# Altium PCB PCB_E32_Transmission_V1.1.PcbDoc
Units mm, origin at the board's own origin, x right, y up, seen from the top; angles counter-clockwise.
Board outline 67.99 x 52.41 mm, 2 copper layers (Top Layer, Bottom Layer); 18 components, 14 nets, 86 pads, 1 vias.
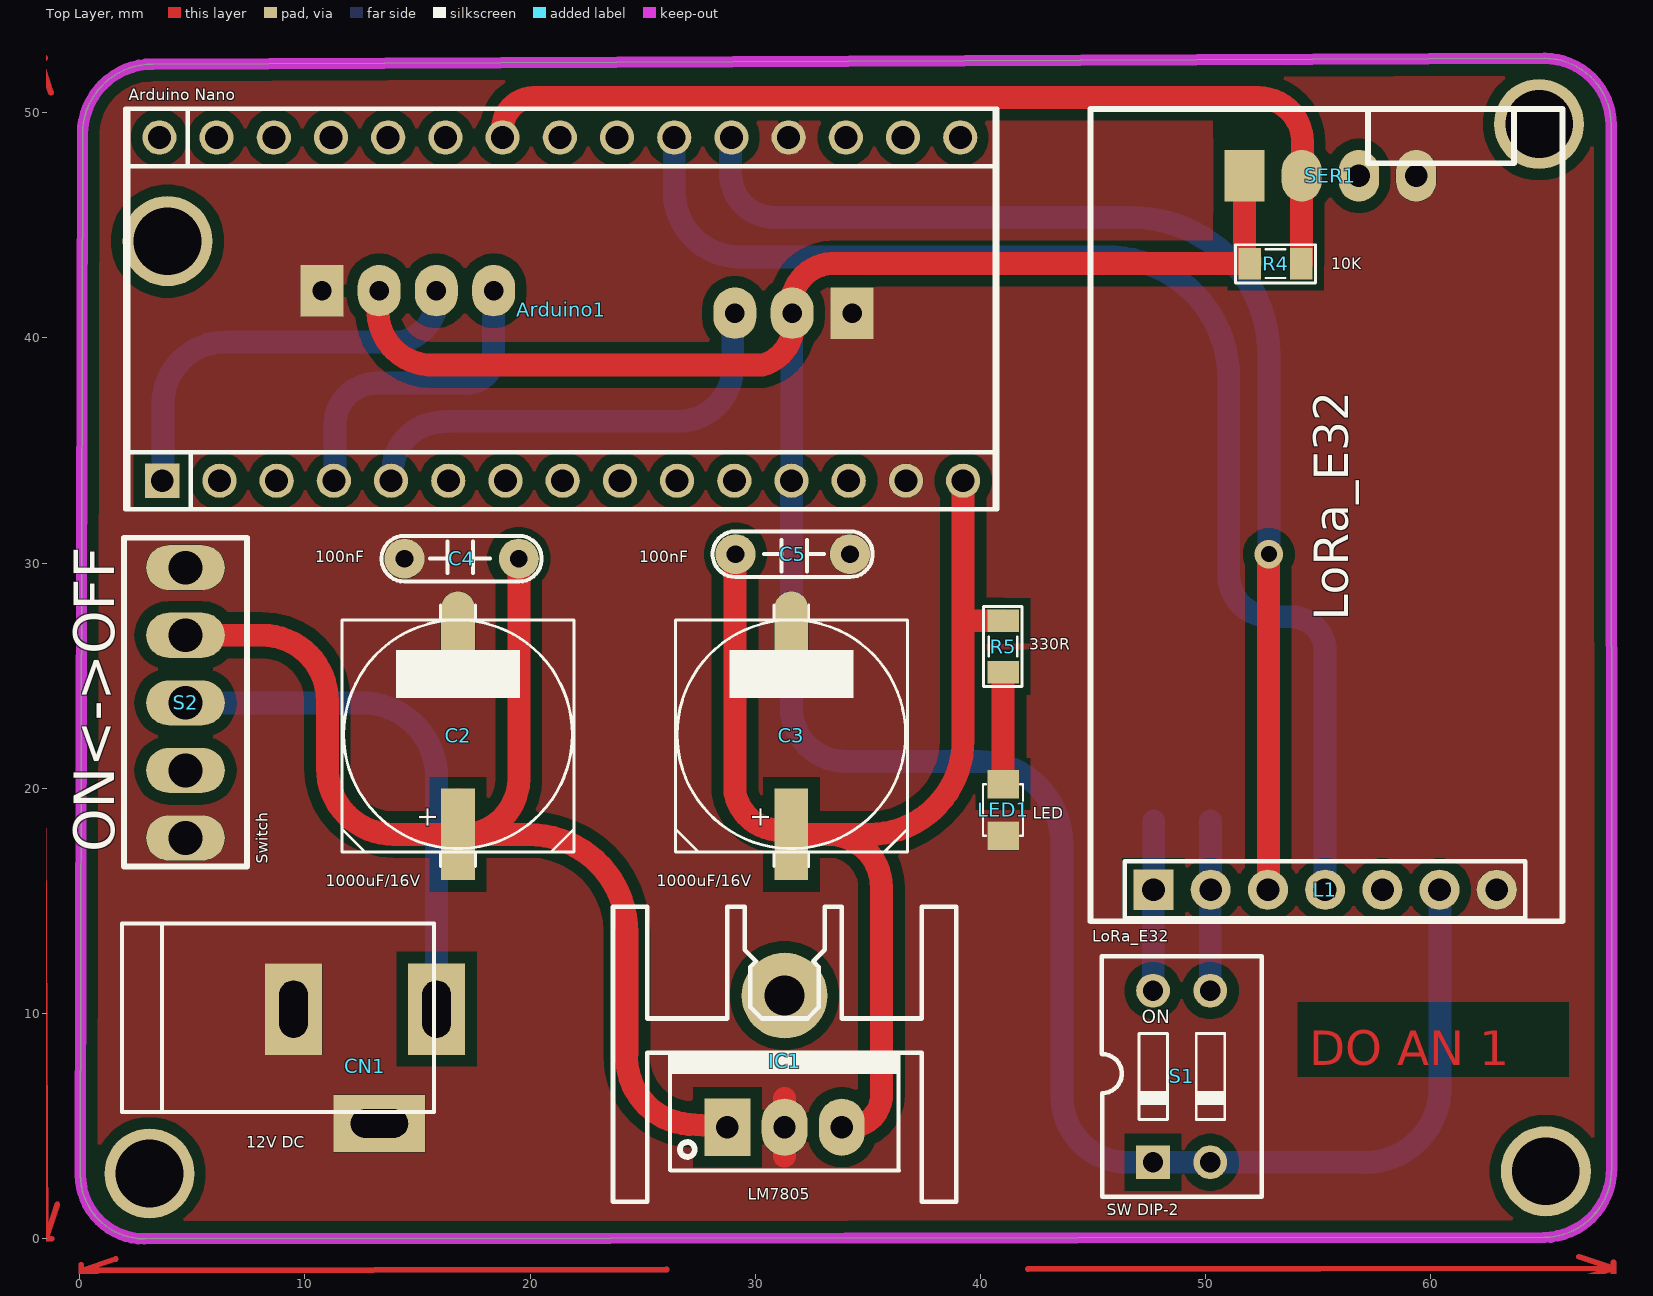
[diagram p0: Top Layer view]
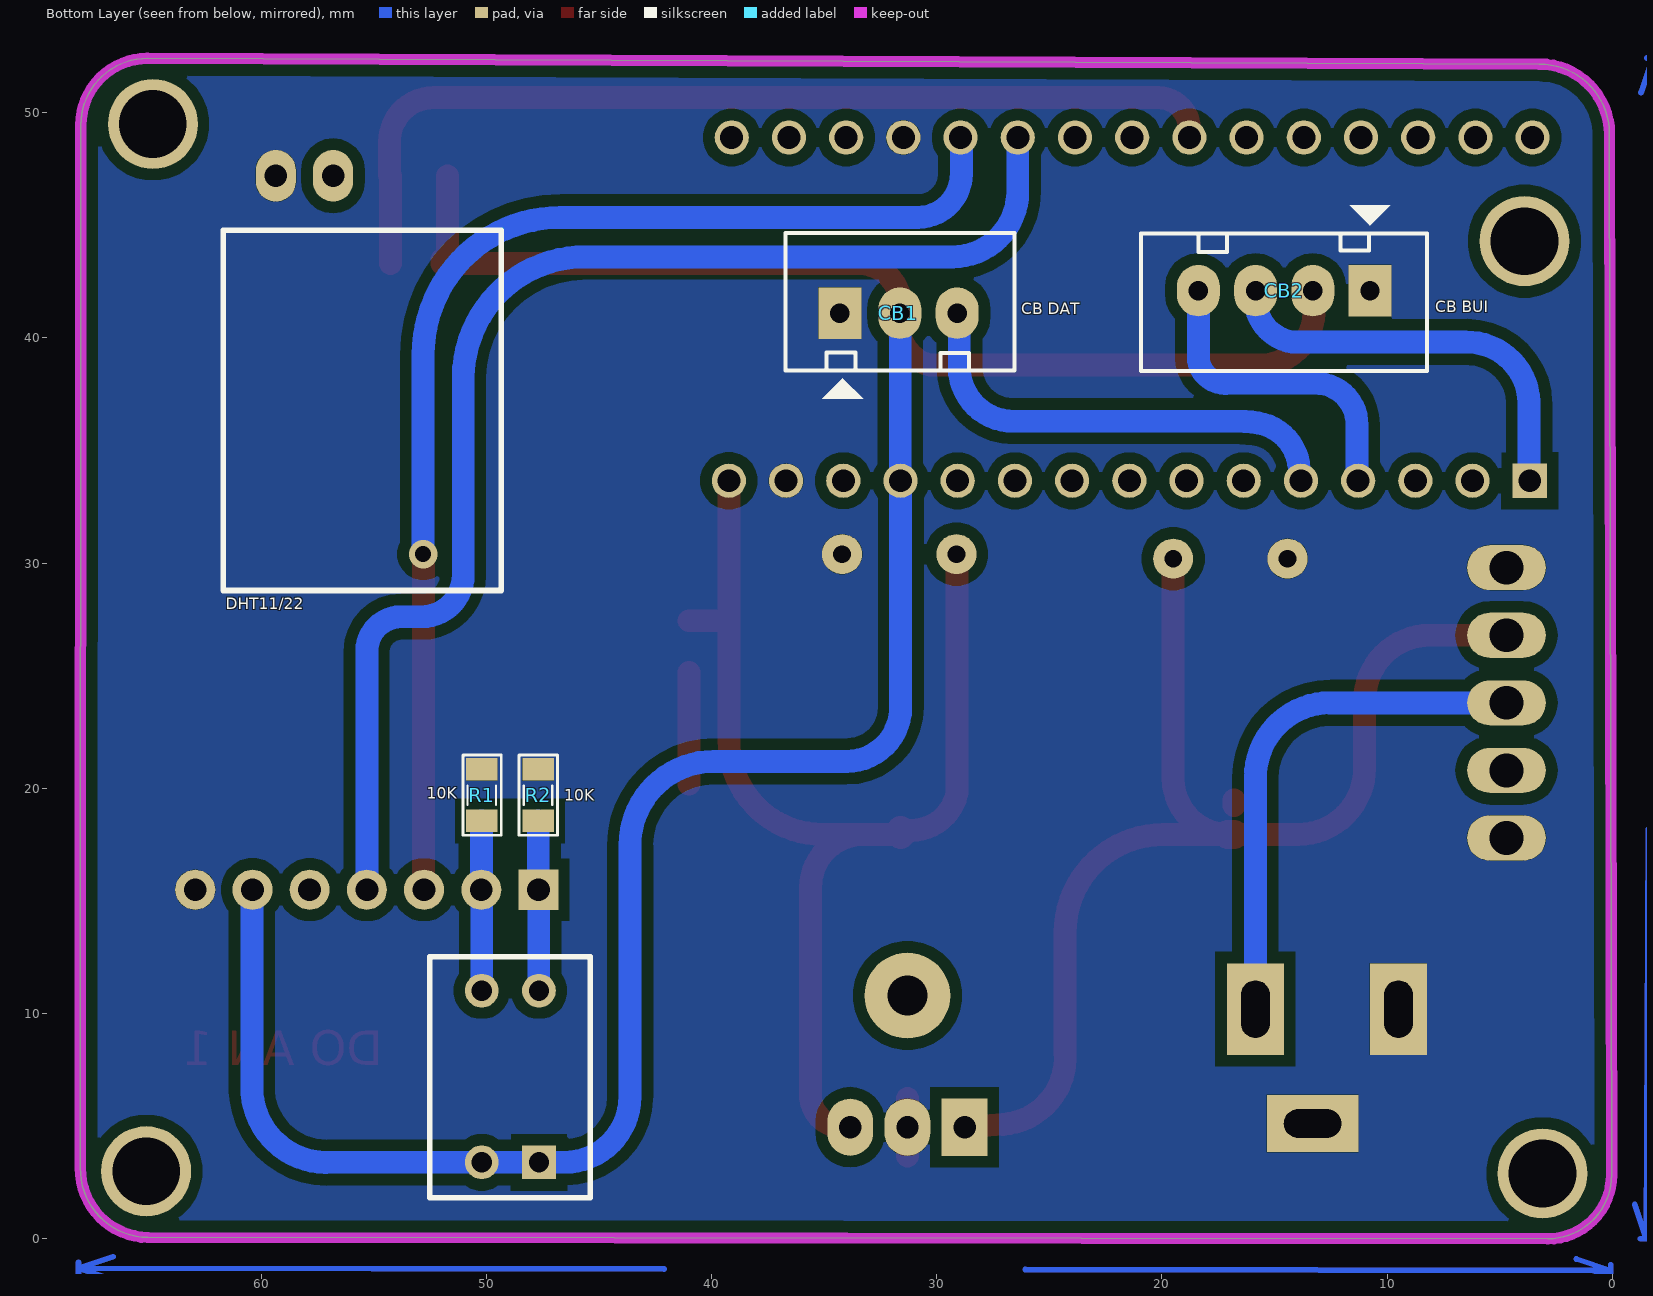
[diagram p1: Bottom Layer view, seen from below]

## Layer stack, top to bottom
Top Solder: solder mask 0.0102, Solder Resist, Dk 3.5
Top Layer: signal copper 0.0356
Dielectric 1: dielectric 0.32, FR-4, Dk 4.8
Bottom Layer: signal copper 0.0356
Bottom Solder: solder mask 0.0102, Solder Resist, Dk 3.5

## Board outline
2.869,0 cw(c2.869,2.836) 0.033,2.836 0.127,49.05 cw(c3.237,49.05) 3.237,52.16 65.042,52.412 cw(c65.042,49.455) 68,49.455 68.019,3.147 cw(c64.98,3.1) 65.027,0.061

## Design rules (kind name [scope] priority, off if disabled: settings)
Clearance [All] p1: gap=0.508 ignorepadtopadclearanceinfootprint=FALSE
PlaneConnect [All] p1: planeconnectstyle=Relief reliefexpansion=0.762 reliefentries=4 reliefconductorwidth=2.54 reliefairgap=0.254
PolygonConnect [All] p1: connectstyle=Relief reliefconductorwidth=0 reliefentries=4 polygonreliefangle="90 Angle" airgapwidth=0
RoomDefinition Sheet_LoraE32_Transmission_V1.1 [InComponentClass('Sheet_LoraE32_Transmission_V1.1')] p1: confinementstyle=ConfineIn formatcopy=TRUE lockcomponents=FALSE outline 75.493,-45.075 96.993,-45.075 96.993,6.325 75.493,6.325
RoutingVias [All] p1: holewidth=0.711 width=1.27 viastyle="Through Hole" minholewidth=0.711 minwidth=1.27 maxholewidth=0.711 maxwidth=1.27
SolderMaskExpansion [All] p1: expansion=0.102 istentingtop=FALSE
Width [All] p1: maxlimit=1.778 minlimit=0.635 preferedwidth=1.016
29 further rules are at their usual default settings.

## Components (designator, comment, footprint, x,y, rotation, side; value= is the part's Value field where it differs from the comment)
Arduino1 "Arduino Nano" "Arduino Nano" 21.574,40.518 r270 top value="Cau 1A"
C2 "1000uF/16V" CAP-ALU-SMD-G 16.8,22.4 r90 top
C3 "1000uF/16V" CAP-ALU-SMD-G 31.6,22.4 r90 top
C4 "100nF" CN2 14.42,30.2 r0 top value=0.1uF
C5 "100nF" CN2 34.2,30.4 r180 top value=0.1uF
CB1 "CB DAT" Header3 34.173,41.1 r180 bottom
CB2 "CB BUI" Header4 10.76,42.1 r0 bottom
CN1 "12V DC" DC-IN 12.675,7.66 r0 top value="Jac DC"
IC1 "LM7805" TO220H1 31.3,4.958 r0 top
L1 "LoRa_E32" LoRa_E32 53.903,12.071 r90 top
LED1 "LED" LED-0805-Green 41,20.186 r270 top value="LED 3 - 5 ly 2 Colour"
R1 "10K" RES-SMD-0805 50.2,19.7 r90 bottom
R2 "10K" RES-SMD-0805 47.7,19.7 r90 bottom
R4 "10K" RES-SMD-0805 53.1,43.3 r0 top
R5 "330R" RES-SMD-0805 41,26.3 r270 top
S1 "SW DIP-2" DIPSW2 47.66,3.4 r0 top
S2 "Switch" Switch 4.7,17.8 r90 top
SER1 "DHT11/22" DHT11_H 51.72,47.2 r0 bottom

## Footprints (in the part's own frame and the unit in brackets; to place one, negate y for a bottom-side part, rotate by r counter-clockwise, add the part's x,y. Pads: shape width x height; smd on the part's side, far side on the other; paste and mask are expansions set on the pad)
"Arduino Nano" [mm]
  round 1.52 hole 1.02: 3V3(6.858,-15.367) 5V(6.858,10.033) A0(6.858,-10.287) A1(6.858,-7.747) A2(6.858,-5.207) A3(6.858,-2.667) A4(6.858,-0.127) A5(6.858,2.413) A6(6.858,4.953) A7(6.858,7.493) D2(-8.382,7.366) D3(-8.382,4.826) D4(-8.382,2.286) D5(-8.382,-0.254) D6(-8.382,-2.794) D7(-8.382,-5.334) D8(-8.382,-7.874) D9(-8.382,-10.414) D10(-8.382,-12.954) D11(-8.382,-15.494) D12(-8.382,-18.034) GND(-8.382,9.906) GND(6.858,15.113) REF(6.858,-12.827) RST(-8.382,12.446) RST(6.858,12.573) RX0(-8.382,14.986) TX1(-8.382,17.526) VIN(6.858,17.653)
  rect 1.52x1.52 hole 1.02: D13(6.858,-17.907)
  silkscreen extent -9.65,-19.55 8.13,19.18, body extent -9.65,-23.48 8.14,21.44, height 21.18
CAP-ALU-SMD-G [mil]
  rect 160x59.06 smd: 1(-175,0)
  oval 160x59.06 smd: 2(170,0)
  silkscreen extent -231,-203 226,203, body extent -233,-203 223,203, height 402
CN2 [mil]
  round 70 hole 31: 1(0,0) 2(200,0)
  silkscreen extent -40,-40 240,40, body extent -54,-44 260,55, height 407
DC-IN [mil] "Jac DC input"
  rect 100x160 hole 50 slot 100 at 90 deg: 1(125,100) 2(-125,100)
  rect 160x100 hole 50 slot 100 at 0 deg: 3(25,-100)
  silkscreen extent -425,-80 120,250, body extent -410,-105 134,269, height 434
DHT11_H [mil]
  rect 70x90 smd far side: 1(0,0)
  oval 70x90 smd far side: 2(100,0)
  oval 70x90 hole 39.37 unplated: 3(200,0)
  oval 70x90 hole 39.37 unplated mask+4: 4(300,0)
  silkscreen extent -94,95 392,725, body extent -86,-15 386,713, height 217
DIPSW2 [mm]
  rect 1.5x1.5 hole 0.9: 1(0,0)
  round 1.5 hole 0.9: 2(2.54,0) 3(2.54,7.62) 4(0,7.62)
  silkscreen extent -2.27,-1.53 4.83,9.14, body extent -2.02,-1.27 4.56,8.89, height 7.11
Header3 [mil] "CON 3"
  rect 75x90 hole 34: 1(-5,0)
  oval 75x90 hole 34: 2(100,0) 3(200,0)
  silkscreen extent -100,-150 300,140, body extent -95,-90 295,136, height 276
Header4 [mil] "CON4"
  rect 75x90 hole 34: 1(0,0)
  oval 75x90 hole 34: 2(100,0) 3(200,0) 4(300,0)
  silkscreen extent -100,-150 400,140, body extent -90,-90 398,136, height 276
LED-0805-Green [mil]
  rect 50x55 smd: 1(0,0) 2(90,0)
  silkscreen extent 0,-35 90,35, body extent 5,-25 85,25, height 43
LoRa_E32 [mil]
  rect 70x70 hole 40: 1(135,245)
  round 70 hole 40: 2(135,145) 3(135,45) 4(135,-55) 5(135,-155) 6(135,-255) 7(135,-355)
  silkscreen extent 80,-470 1500,355, body extent 75,-470 1985,357, height 311
RES-SMD-0805 [mil]
  rect 39.37x55 smd: 1(-45,0) 2(45,0)
  silkscreen extent -70,-34 70,33, body extent -39,-25 39,25, height 31
Switch [mm]
  oval 2x3.5 hole 1.5: 1(3,0) 2(6,0) 3(9,0) 4(0,0) 5(12,0)
  silkscreen extent -1.27,-2.73 13.34,2.73, body extent -0.5,-2.85 12.5,9.35, height 2.6
TO220H1 [mil] "TO-220 - 1-2-3"
  round 150 hole 70: 0(0,230)
  rect 80x100 hole 39: 1(-100,0)
  oval 80x100 hole 39: 2(0,0) 3(100,0)
  silkscreen extent -300,-130 300,385, body extent -246,-82 250,329, height 1000

## Part data
Arduino1: "Arduino NANO"
C2 C3: library part CN-ALU-SMD, "Polarized Capacitor (Axial)", LatestRevisionDate=17-Jul-2002, LatestRevisionNote="Re-released for DXP Platform.", PackageReference=POLAR0.8, Published=8-Jun-2000, Publisher="Altium Limited"
C4 C5: library part CN2, "Cap np 104 => 105pF"
CB1: library part Header3, "Header IDC, 3 x 1 Pin Vertical 2.54mm Pitch (Non-Boxed, Male)", Manufacturer="W¨¹rth Elektronik eiSos GmbH", partNo=613002143121, ComponentLink1 Description=Manufacturer, ComponentLink1URL=http://www.we-online.com, ComponentLink2 Description=Datasheet, ComponentLink2URL=http://katalog.we-online.de/em/datasheet/6130xx143121.pdf, Created by="Karrer Zheng", Created Date="29 March 2013", NoPins=02
CB2: library part Header4, "Header IDC, 4 x 1 Pin Vertical 2.54mm Pitch (Non-Boxed, Male)", Manufacturer="W¨¹rth Elektronik eiSos GmbH", partNo=613002143121, ComponentLink1 Description=Manufacturer, ComponentLink1URL=http://www.we-online.com, ComponentLink2 Description=Datasheet, ComponentLink2URL=http://katalog.we-online.de/em/datasheet/6130xx143121.pdf, Created by="Karrer Zheng", Created Date="29 March 2013", NoPins=02
CN1: library part DCIN, "Jac DC input"
IC1: library part LM78xx, "Positive Voltage Regulator", ComponentLink1Description="Manufacturer Link", ComponentLink1URL=http://www.st.com/, ComponentLink2Description=Datasheet, ComponentLink2URL=http://www.st.com/stonline/products/literature/ds/2146/l78m05c.pdf, DatasheetVersion=Apr-1994, LatestRevisionDate=17-Jul-2002, LatestRevisionNote="Re-released for DXP Platform.", Note="Tab is connected to pin 3 (GND).", PackageDescription="TO, Thru-Hole, Vertical, Heatsink Mounted; 3 In-Line Leads; Pitch 2.54 mm; Pin sequence 1, 3, 2", PackageReference=ISOWATT220AB, PackageVersion=Jul-1998, Published=24-Aug-2001, Publisher="Altium Limited"
LED1: library part "LED SMD"
R1 R2 R4 R5: library part Res-SMD, "Resistor", Manufacturer="Generic Components", Class=Passive, Published=08/06/2000, Publisher="Altium Hobart Technology Centre"
S1: "DIP Switch, 2 Position, SPST", ComponentLink1Description="Digikey Part Link", ComponentLink2Description="Open Datasheet", ComponentLink2URL=H:\LIBRARY\LIBRARY.Datasheet\, LatestRevisionDate=17-Jul-2002, LatestRevisionNote="Re-released for DXP Platform.", PackageReference=DIP-4, Published=24-Mar-1999, Publisher="Altium Limited", Vendor=Digikey

## Free pads (board coordinates)
  round 4 hole 3: 0(3.1,2.9) 0(3.9,44.3) 0(64.8,49.5) 0(65.1,3)

## Via types
v1: diameter 1.27, hole 0.711, Top Layer to Bottom Layer, 1 vias

## Nets (pads, with @x,y where several pads share a name; then routed paths per layer and width w, separated by ;. In a path a pad name is that pad's centre, name@x,y a point inside that pad or via, vN(x,y) a via of type N, cw(c..) or ccw(c..) an arc to the next point about the centre after c; other vN are vias at no path point)
5V: Arduino1.5V CB1.2 CB2.2 L1.6 R4.1 S1.1 S1.2 SER1.1 | length 122.2
  Top Layer w1.016: CB2.2 13.249,41.375 ccw(c15.651,41.202) 15.482,38.8 15.522,38.8 29.522,38.8 30.31,38.8 ccw(c29.829,40.607) 31.636,41.088 CB1.2@31.635,41.091 ; CB1.2@31.637,41.374 31.637,41.371 CB1.2 31.619,41.377 31.619,41.38 cw(c33.443,41.475) 33.351,43.3 33.844,43.3 R4.1 51.957,43.483 51.72,43.719 SER1.1
  Bottom Layer w1.016: Arduino1.5V 31.6,33.653 31.6,23.6 ccw(c34,23.6) 34,21.2 39.9,21.2 cw(c39.9,17.48) 43.62,17.48 43.62,6.311 43.62,6.308 ccw(c46.528,6.308) 46.528,3.4 S1.1 S1.2 56.802,3.4 56.837,3.4 ccw(c57.08,6.72) 60.4,6.477 60.4,6.518 60.4,15.48 L1.6 ; Arduino1.5V@31.62,33.673 CB1.2@31.62,41.087
  Bottom Layer w1.27: CB2.2 CB2.2@13.3,42.462 ; CB1.2@31.511,41.221 CB1.2 CB1.2@31.62,41.087
A0: Arduino1.A0 CB2.4 | length 14.2
  Bottom Layer w1.016: Arduino1.A0@11.335,33.708 11.335,36.13 11.335,36.132 cw(c13.198,36.137) 13.198,38 16.906,38 16.978,38 ccw(c17.179,39.201) 18.38,39 18.38,39.12 CB2.4
  Bottom Layer w1.27: Arduino1.A0 Arduino1.A0@11.335,33.708
A1: Arduino1.A1 CB1.3 | length 20.6
  Bottom Layer w1.016: Arduino1.A1 13.93,33.678 cw(c16.098,34.056) 15.72,36.224 cw(c16.599,31.183) 16.599,36.3 26.557,36.3 26.562,36.3 ccw(c26.587,38.713) 29,38.683 CB1.3@29,41.007
  Bottom Layer w1.27: CB1.3@29,41.007 CB1.3
DATA: Arduino1.D6 R4.2 SER1.2 | length 43.2
  Top Layer w1.016: Arduino1.D6 18.78,49.28 cw(c20.176,49.28) 20.176,50.676 52.324,50.676 cw(c52.324,48.7) 54.3,48.7 54.3,47.24 SER1.2 54.251,47.191 54.251,43.308 R4.2
GND: Arduino1.GND C2.2 C3.2 C4.1 C5.1 CB1.1 CB2.1 CN1.2 CN1.3 IC1.2 L1.7 LED1.2 R1.2 R2.2 S2.4 S2.5 SER1.4 | length 2.6
  Top Layer w1.016: 31.3,3.679 IC1.2 31.3,6.237
LED: Arduino1.D13 CB2.3 | length 19
  Bottom Layer w1.016: Arduino1.D13 3.7,33.693 3.7,37.129 3.7,37.145 cw(c6.449,37.065) 6.529,39.814 6.543,39.814 14.2,39.814 ccw(c13.877,41.777) CB2.3
  Bottom Layer w1.27: CB2.3@15.84,41.738 15.84,41.777 CB2.3
NetC2_1: C2.1 C4.2 IC1.1 S2.3 | length 54.3
  Top Layer w1.016: S2.3@4.8,26.8 8.1,26.8 cw(c8.1,23.9) 11,23.9 11,20.9 ccw(c13.945,20.9) 13.945,17.955 C2.1 16.929,17.951 16.932,17.951 ccw(c17.006,20.445) 19.5,20.371 19.5,20.558 C4.2 ; C2.1@16.796,19.479 C2.1@16.8,19.237 ; C2.1@17.08,17.951 19.949,17.951 cw(c19.949,13.6) 24.3,13.6 24.3,8.313 24.3,8.278 ccw(c27.271,8.057) 27.053,5.085 IC1.1
  Top Layer w1.27: S2.3 S2.3@4.8,26.8 ; C2.1@16.8,17.951 C2.1@17.08,17.951
NetCN1_1: CN1.1 S2.2 | length 23.3
  Bottom Layer w1.016: S2.2 12.534,23.8 cw(c12.534,20.484) 15.85,20.484 CN1.1
NetL1_1: L1.1 R2.1 S1.4 | length 7.5
  Bottom Layer w1.016: S1.4@47.67,11.03 L1.1@47.67,15.49 ; L1.1@47.69,15.51 R2.1@47.69,18.547
  Bottom Layer w1.27: S1.4 S1.4@47.67,11.03 ; L1.1@47.67,15.49 L1.1 L1.1@47.69,15.51
NetL1_2: L1.2 R1.1 S1.3 | length 7.5
  Bottom Layer w1.016: S1.3 L1.2@50.2,15.48 ; L1.2@50.21,15.51 R1.1@50.21,18.547
  Bottom Layer w1.27: L1.2@50.2,15.48 L1.2
NetLED1_1: LED1.1 R5.2 | length 5
  Top Layer w1.016: LED1.1 R5.2
RX: Arduino1.D2 L1.3 | length 53.9
  Top Layer w1.016: L1.3@52.8,15.54 52.78,15.56 52.78,30.38 v1(52.8,30.4)
  Top Layer w1.27: L1.3 L1.3@52.8,15.54
  Bottom Layer w1.016: Arduino1.D2 28.9,48.86 28.9,47.3 ccw(c30.85,47.3) 30.85,45.35 46.715,45.35 cw(c46.715,39.265) 52.8,39.265 v1(52.8,30.4)
TX: Arduino1.D3 L1.4 | length 57.3
  Bottom Layer w1.016: Arduino1.D3 26.4,46.5 ccw(c29.3,46.5) 29.3,43.6 45.57,43.6 45.575,43.6 cw(c45.631,38.209) 51.022,38.266 51.022,38.26 51.022,29.478 ccw(c52.878,29.478) 52.878,27.622 53.778,27.622 cw(c53.778,26.1) 55.3,26.1 L1.4
VCC: Arduino1.VIN C3.1 C5.2 IC1.3 R5.1 | length 52.7
  Top Layer w1.016: C5.2 29.1,30.38 29.1,21.02 29.1,19.792 ccw(c31.134,20.212) C3.1@31.358,18.147 ; C3.1 33.245,17.955 ; IC1.3 34.273,4.979 ccw(c34.207,6.373) 35.6,6.441 35.6,7.756 35.6,15.597 35.6,15.6 ccw(c33.245,15.6) 33.245,17.955 ; Arduino1.VIN 39.227,27.5 ; R5.1 39.284,27.443 39.227,27.5 ; 33.245,17.955 35.055,17.955 ccw(c35.055,22.127) 39.227,22.127 39.227,27.5
  Top Layer w1.27: C3.1 C3.1@31.6,18.147
pads on no net: Arduino1.3V3 Arduino1.A2 Arduino1.A3 Arduino1.A4 Arduino1.A5 Arduino1.A6 Arduino1.A7 Arduino1.D4 Arduino1.D5 Arduino1.D7 Arduino1.D8 Arduino1.D9 Arduino1.D10 Arduino1.D11 Arduino1.D12 Arduino1.REF Arduino1.RST Arduino1.RX0 Arduino1.TX1 IC1.0 L1.5 S2.1 SER1.3

## Polygon pours and split planes (outlines as drawn)
GND on Bottom Layer "NONET_L-01_P-001" (solid, pour order 3): 0,52.5 68.1,52.5 68.1,-0.1 68,0 0,0
GND on Top Layer "NONET_L-01_P-001" (solid, pour order 2): 0,52.5 68.1,52.5 68.1,0 0,0

## Keep-outs
Keep-Out Layer:
  the board outline again, w0.508

## Other copper
Top Layer:
  pour cut-out: 50.3,48.874 50.3,49.7 53.1,49.7 53.3,49.5 53.275,49.475 53.275,48.537 50.637,48.537
  pour cut-out: 50.323,45.549 50.3,45.526 50.3,44.3 50.67,44.3 50.695,44.325 50.695,45.549
  pour cut-out: 52.745,45.549 52.7,45.504 52.7,42.1 53.228,42.1 53.226,42.102 53.226,45.506 52.788,45.506
  text "DO AN 1" at 54.6,7.7 h1.52
Bottom Layer:
  pour cut-out: 14.462,36.975 12.475,36.975 12.3,36.8 12.36,36.74 12.36,34.338 13.038,34.338 14.462,35.762
  pour cut-out: 16.694,40.724 17.224,40.724 17.315,40.815 17.315,39.065 15.421,39.065 16.694,40.338
  pour cut-out: 27.425,48.139 27.7,47.864 27.7,45.1 28.65,45.1 28.746,45.196 27.875,46.067 27.875,48.356 27.736,48.495 27.425,48.184
Multi-Layer:
  lines w0.254: -2.293,50.898 -1.793,52.424 ; -2.047,52.423 -1.539,52.426 ; -2.017,1.521 -1.5,0 ; -1.754,-0.001 -1.246,0.001 ; -1.692,34.236 -1.793,52.424 ; -1.602,18.188 -1.5,0 ; -1.277,50.903 -1.793,52.424 ; -1.001,1.527 -1.5,0 ; 0.076,-1.66 0.075,-1.152 ; 1.598,-0.895 0.075,-1.406 ; 1.6,-1.911 0.075,-1.406 ; 26.064,-1.365 0.075,-1.406 ; 42.112,-1.34 68.1,-1.3 ; 66.575,-0.794 68.1,-1.3 ; 66.577,-1.81 68.1,-1.3 ; 68.1,-1.554 68.1,-1.046
  text "52.425 (mm)" at -2.604,33.977 h1.52 r270.32
  text "68.025 (mm)" at 26.319,-2.279 h1.52 r0.09

## Text inside footprints (layer, text, board x,y; h text height)
C2: Top Overlay "+" at 15.825,18.2 h0.89 r90
C3: Top Overlay "+" at 30.625,18.2 h0.89 r90
S1: Top Overlay "ON" at 47.163,9.368 h1.02
S2: Top Overlay "ON<->OFF" at 1.525,17.165 h1.8 r90